# Altium PCB Main_Fly_V1.0.0.PcbDoc (part 2 of 2)
Units mil, origin at the board's own origin, x right, y up, seen from the top; angles counter-clockwise.
Board outline 3667.19 x 3670.52 mil, 2 copper layers (Top Layer, Bottom Layer); 101 components, 66 nets, 311 pads, 145 vias.
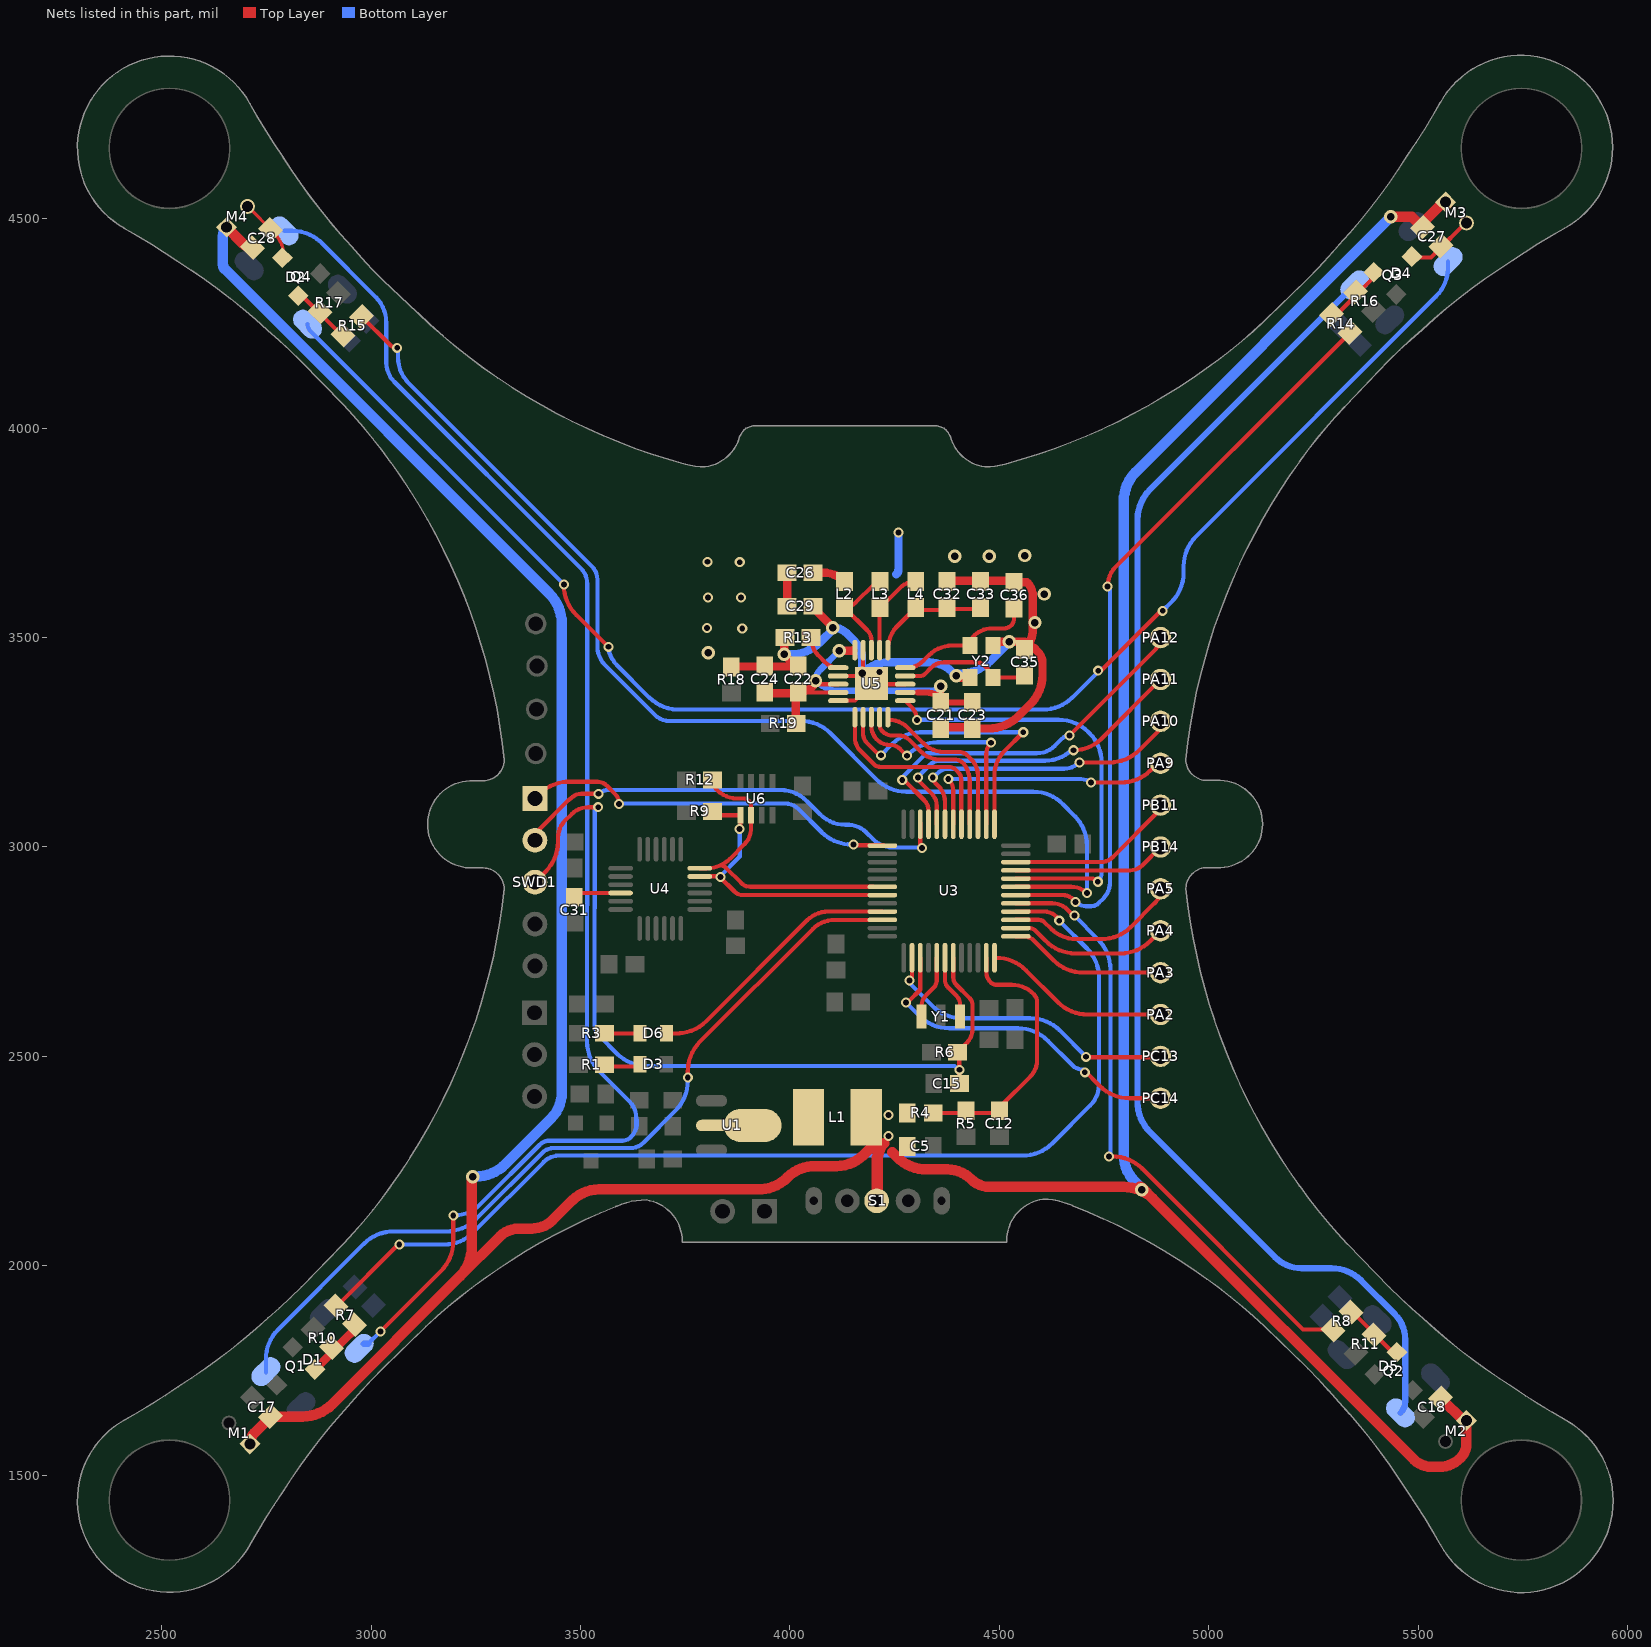
[diagram p2: the nets of this part, all layers, seen from the top]

## Via types
v1: diameter 24, hole 14, Top Layer to Bottom Layer, tented both sides, 115 vias
v2: diameter 32, hole 18, Top Layer to Bottom Layer, tented both sides, 28 vias
v3: diameter 152.84, hole 113.47, Top Layer to Bottom Layer, tented both sides, 2 vias

## Nets (pads, with @x,y where several pads share a name; then routed paths per layer and width w, separated by ;. In a path a pad name is that pad's centre, name@x,y a point inside that pad or via, vN(x,y) a via of type N, cw(c..) or ccw(c..) an arc to the next point about the centre after c; other vN are vias at no path point) (continued)
NetC26_1: C26.1 L2.2 | length 81.6
  Top Layer w10: C26.1@4054,3647 C26.1@4055,3647
  Top Layer w20: C26.1@4055,3655 4079.3,3655 cw(c4079.3,3583.3) 4112.21,3647 cw(c4079.3,3583.3) 4113.9,3646.1 cw(c4079.3,3583.3) L2.2@4130,3634
NetC27_1: C27.1 M3.2 Q3.3 | length 155.3
  Top Layer w10: Q3.3@5490,4408 5531,4408 5548,4425 5609,4486 M3.2@5613,4486
NetC28_1: C28.1 M4.2 Q4.3 | length 151.1
  Top Layer w7.87: M4.2@2704.66,4529.66 2768.15,4466.17 cw(c2712.97,4411) Q4.3@2791,4411
NetC31_1: C31.1 U4.10 | length 113.2
  Top Layer w10: C31.1@3485,2880 cw(c3509.52,2855.48) 3505.98,2889.98 cw(c3509.52,2855.48) 3509.52,2890.16 U4.10@3595.51,2890.16
NetC32_2: C32.2 C33.2 L4.2 U5.11 | length 350.8
  Top Layer w10: U5.11@4233.74,3470 cw(c4320.02,3470) U5.11@4234,3476.69 ; U5.11@4234,3467 U5.11@4234,3476.69 ; L4.2@4288,3558 4249.01,3519.01 ; L4.2@4294,3568 L4.2@4295,3567 ; L4.2@4300,3572 L4.2@4295,3567 ; C32.2@4363,3566 4296,3566 L4.2@4295,3567 ; C32.2@4363,3568 4452,3568 C33.2@4453,3567 ; U5.11@4234,3476.69 cw(c4320.02,3470) 4249.01,3519.01 ; 4249.01,3519.01 cw(c4320.02,3470) 4259.01,3531.01 L4.2@4295,3567
NetC35_2: C35.2 U5.9 Y2.1 | length 298
  Top Layer w10: U5.9@4275,3408.43 4310.96,3408.43 ccw(c4310.96,3424.04) 4321.98,3412.98 4337.3,3428.3 cw(c4367.97,3397.63) 4367.97,3441 4446.1,3441 cw(c4446.1,3417.1) 4463,3434 Y2.1@4484,3413 ; Y2.1@4489,3405 4548,3405 C35.2@4554,3411
NetC36_2: C36.2 U5.10 Y2.3 | length 334.9
  Top Layer w10: U5.10@4275,3428.11 4279.64,3428.11 ccw(c4279.64,3482.36) 4289.42,3429 ccw(c4279.64,3482.36) 4318,3444 4332.05,3458.05 cw(c4387.41,3402.69) 4387.41,3480.98 Y2.3@4429.49,3480.98 cw(c4462.09,3480.98) 4434.76,3498.76 cw(c4462.09,3480.98) 4439.04,3504.04 cw(c4482.4,3460.67) 4446.1,3510.1 cw(c4482.4,3460.67) 4455.95,3516 cw(c4482.4,3460.67) 4482.4,3522 4511.27,3522 ccw(c4511.27,3545.9) 4528.17,3529 ; 4528.18,3529.01 ccw(c4511.69,3545.49) 4535,3545.49 C36.2@4535,3570
NetD1_4: D1.4 D2.2 | length 3444.9
  Top Layer w10: v1(3022,1843) 3166.71,1987.71 ccw(c3096,2058.42) 3196,2058.42 v1(3196,2120)
  Bottom Layer w10: D2.2@2792.16,4471.36 2811.22,4471.36 cw(c2811.22,4371.36) 2862.85,4457 cw(c2811.22,4371.36) 2881.93,4442.07 3010.54,4313.46 cw(c2949.09,4252) 3036,4252 3036,4157 ccw(c3101.18,4157) 3055.07,4110.93 ; D1.4@2993,1814 v1(3022,1843) ; 3055.09,4110.91 3501,3665 cw(c3464.79,3628.79) 3516,3628.79 3516,2860.95 3515.38,2860.32 3515.38,2534.92 ccw(c3615.38,2534.92) 3544.67,2464.21 3616.87,2392 3617,2392 cw(c3578.37,2353.37) 3633,2353.37 3633,2352.18 ; v1(3196,2120) ccw(c3196,2210.4) 3259.92,2146.48 3402.44,2289 cw(c3425.98,2265.47) 3425.98,2298.75 3600.08,2298.75 ccw(c3600.08,2326.92) 3620,2307 ccw(c3585.41,2341.59) 3634.33,2341.59 3634.33,2348.43 ccw(c3565.14,2326) 3633,2352.18 ; 3633,2332 3633,2352.18
  Bottom Layer w15: D1.4@2982,1814 D1.4@2993,1814
NetD2_4: D2.4 D4.2 | length 3663.9
  Top Layer w10: v1(3460,3627) 3460,3625.42 ccw(c3560,3625.42) 3489.29,3554.71 v1@3569,3475 ; v1@4740,3422 4744,3422 v1@4886,3564
  Bottom Layer w10: D2.4@2847.84,4248.64 ccw(c2870.73,4248.64) 2854.54,4232.46 v1(3460,3627) ; v1@3566,3483 ccw(c3633.6,3483) 3585.8,3435.2 3663.71,3357.29 ccw(c3734.42,3428) 3719.95,3329.05 ccw(c3734.42,3428) 3734.42,3328 4603.58,3328 ccw(c4603.58,3428) 4674.29,3357.29 v1@4743.5,3426.5 ; v1@4889,3563 v1(4890,3564) 4910.71,3584.71 ccw(c4840,3655.42) 4921,3596.78 ccw(c4840,3655.42) 4940,3655.42 4940,3670.58 cw(c5040,3670.58) 4969.29,3741.29 5542.07,4314.07 ccw(c5471.36,4384.78) 5571.36,4384.78 D4.2@5571.36,4397.84
  other v1: 4736,3421 3567,3478
NetD3_1: D3.1 R1.2 | length 88.7
  Top Layer w10: R1.2@3557,2480 3561,2476 D3.1@3644,2476
NetD4_4: D4.4 D5.2 | length 3243.3
  Bottom Layer w15: D4.4@5348.64,4342.16 4859.29,3852.81 ccw(c4930,3782.1) 4835.34,3814.34 ccw(c4930,3782.1) 4830,3782.1 4830,2390.42 ccw(c4930,2390.42) 4859.29,2319.71 5159,2020 ccw(c5221.77,2082.77) 5169.53,2011 ccw(c5221.77,2082.77) 5221.77,1994 5293.24,1994 cw(c5293.24,1894) 5363.95,1964.71 5443.83,1884.83 cw(c5383.07,1824.07) 5469,1824.07 5469,1675.59 cw(c5430.89,1675.59) D5.2@5457.84,1648.64
NetD6_1: D6.1 R3.2 | length 85.1
  Top Layer w10: R3.2@3557,2555 3635,2555 D6.1@3640,2550
NetL1_2: L1.2 U1.2
NetL2_1: L2.1 L3.2 U5.13 | length 245.1
  Top Layer w10: L2.1@4130,3572 ccw(c4130,3608.21) 4155.61,3582.61 4201.34,3628.34 cw(c4215,3614.69) L3.2@4215,3634 ; L2.1@4133,3570 4133,3569 4184.5,3517.5 cw(c4160.67,3493.67) 4194.37,3493.67 U5.13@4194.37,3470 ccw(c4103.52,3470) U5.13@4193.46,3482.8
NetL3_1: L3.1 L4.1 U5.12 | length 212.2
  Top Layer w10: U5.12@4214.06,3470 4214.06,3554.06 4226,3566 L3.1@4229,3566 ; L3.1@4215,3572 ccw(c4215,3574.41) 4216.71,3572.71 4262.45,3618.45 cw(c4300,3580.89) L4.1@4300,3634
NetQ1_1: Q1.1 R7.2 R10.2 | length 145.2
  Top Layer w20: Q1.1@2865.48,1752.58 2950.88,1837.99 ccw(c2928.87,1860) 2955,1843.08 ccw(c2928.87,1860) R7.2@2960,1860
NetQ2_1: Q2.1 R8.2 R11.2 | length 147.2
  Top Layer w10: R8.2@5344,1888 5441,1791 Q2.1@5451,1791
NetQ3_1: Q3.1 R14.2 R16.2 | length 142.8
  Top Layer w10: R14.2@5299,4265 5395,4361 Q3.1@5395,4368
NetQ4_1: Q4.1 R15.2 R17.2 | length 140.9
  Top Layer w10: Q4.1@2828,4315 2836,4315 R15.2@2930,4221
NetR13_1: R13.1 U5.16 | length 104.9
  Top Layer w10: R13.1@4050,3500 ccw(c4110.36,3500) 4067.68,3457.32 4084.08,3440.92 ccw(c4115,3471.83) 4106.22,3429 ccw(c4115,3471.83) U5.16@4115,3428.11
NetU3_5: U3.5 Y1.1 | length 152.9
  Top Layer w10: Y1.1@4314,2595 4314,2619.44 cw(c4351.56,2619.44) 4315,2628.05 cw(c4351.56,2619.44) 4324.97,2645.97 ; 4325,2646 4343,2664 ccw(c4324.96,2682.04) 4350,2677.15 ccw(c4324.96,2682.04) 4350.47,2682.04 U3.5@4350.47,2735.55
NetU3_6: U3.6 Y1.2 | length 153.1
  Top Layer w10: U3.6@4370.16,2735.55 4370.16,2683 ccw(c4397.09,2683) 4378.05,2663.95 4398.5,2643.5 cw(c4380.39,2625.39) 4405,2632.48 cw(c4380.39,2625.39) 4406,2625.39 Y1.2@4406,2595
NRF_ANT: C26.2 C29.2 pad.1@3986.02,3663.58 | length 90.4
  Top Layer w10: C29.2@3990,3575 3990,3566 C29.2@3991,3565
  Top Layer w20: C29.2@3993,3575 C26.2@3993,3655
NRF_CE: U3.29 U5.1 | length 470.1
  Top Layer w10: U5.1@4155,3312 U5.1@4155,3310 4155,3261 ccw(c4198.46,3261) 4167.73,3230.27 4200.53,3197.47 ccw(c4215.85,3212.79) 4215.85,3191.13 4380.21,3191.13 cw(c4380.21,3170.21) 4395,3185 4402,3178 cw(c4385.1,3161.1) 4409,3161.1 U3.29@4409,3049
NRF_CSN: U3.25 U5.2 | length 717
  Top Layer w10: U5.2@4174.69,3310 4174.69,3270.49 ccw(c4206.49,3270.49) 4184,3248 4210,3222 4215,3222 v1@4222,3215 ; U3.25@4488,3045 U3.25@4488,3048 ; U3.25@4488,3060 4488,3171 cw(c4570.08,3171) 4512.04,3229.04 v1(4557,3274)
  Bottom Layer w10: v1(4217,3219) 4241.42,3243.42 cw(c4308,3176.85) 4245.09,3246.9 cw(c4310.52,3181.47) 4310.52,3274 v1(4557,3274)
NRF_IRQ: U3.20 U5.6 | length 1050.7
  Top Layer w10: U5.6@4275,3349.37 4290.01,3334.36 cw(c4258.65,3303) v1(4303,3303) ; v1@4304,3301 v1@4304,3303 ; U3.20@4539.45,2924.53 4718.53,2924.53 cw(c4718.53,2893.28) v1@4740.6,2915.4
  Bottom Layer w10: v1@4300,3304 4641.58,3304 cw(c4641.58,3204) 4712.29,3274.71 4714.71,3272.29 cw(c4644,3201.58) 4744,3201.58 4744,2938.73 cw(c4713.27,2938.73) v1(4735,2917)
NRF_MISO: U3.27 U5.5 | length 394.7
  Top Layer w10: U5.5@4233.74,3310 ccw(c4242.77,3310) 4235.25,3305 ccw(c4242.77,3310) 4236.38,3303.62 cw(c4236.38,3240.85) 4280.74,3285.26 4318.5,3247.5 ccw(c4367.99,3296.99) 4367.99,3227 4403,3227 cw(c4403,3198.03) 4423.49,3218.51 4432.75,3209.25 cw(c4393.78,3170.27) 4448.9,3170.27 U3.27@4448.9,3054.45
NRF_MOSI: U3.28 U5.4 | length 402.5
  Top Layer w10: U5.4@4214.06,3310 4214.06,3292.06 ccw(c4236.06,3292.06) 4220.5,3276.5 ; 4220.53,3276.47 ccw(c4245.85,3301.85) 4245.85,3266 4260,3266 cw(c4260,3230.46) 4285.13,3255.59 4314.72,3226 ; 4314.75,3225.97 ccw(c4355.76,3267.04) 4355.76,3209 4391.38,3209 cw(c4391.38,3175.96) 4414.74,3199.32 cw(c4358.02,3156.3) 4429.21,3156.3 U3.28@4429.21,3054.45
NRF_SCK: U3.26 U5.3@4194.37,3310 | length 552.2
  Top Layer w10: U5.3@4194.37,3310 4194.37,3288.2 ccw(c4239.2,3288.2) 4207.5,3256.5 ccw(c4238.28,3287.28) 4238.28,3243.75 cw(c4238.28,3207.61) 4263.83,3233.17 v1(4279,3218) ; U3.26@4468.58,3054.45 4468.58,3221.44 cw(c4507.56,3221.44) v1(4480,3249)
  Bottom Layer w10: v1@4276,3223 v1@4284.08,3223 ; v1(4279,3218) 4281.71,3220.71 cw(c4352.42,3150) v1@4284.08,3223 ; v1@4475,3248 ccw(c4470.17,3243.17) 4470.17,3250 4352.42,3250 ccw(c4352.42,3150) 4315.67,3243 ccw(c4352.42,3150) 4307.18,3239.18 ccw(c4352.42,3150) v1@4284.08,3223
NRST: C15.2 R6.1 SWD1.3 U3.7 | length 2043.7
  Top Layer w10: SWD1.3@3391,2916 3416.71,2941.71 ccw(c3346,3012.42) 3446,3012.42 3446,3022 cw(c3503.94,3022) 3462.97,3062.97 3478,3078 ; 3478.03,3078.03 cw(c3519.04,3036.96) 3519.04,3095 v1(3542,3095) ; U3.7@4389.84,2735.55 4389.84,2688.28 ccw(c4414.28,2688.28) 4397,2671 4429,2639 cw(c4412.1,2622.1) 4436,2622.1 4436,2566 cw(c4387.72,2566) 4421.86,2531.86 R6.1@4400,2510 ; R6.1@4404,2513 4404,2436 C15.2@4405,2435
  Bottom Layer w10: v1@3542,3100 3533.87,3091.87 3533.87,2853.54 3533.25,2852.92 3533.25,2577 ccw(c3573.69,2577) 3545.1,2548.4 3587.21,2506.29 ccw(c3657.92,2577) 3657.92,2477 4393,2477 v1@4402.65,2467.35 ; v1@4403.5,2466.5 v1@4406,2464 ; v1@4403.79,2468.5 cw(c4403.79,2466.79) v1(4405,2468)
PA2: PA2.1 U3.12 | length 448.3
  Top Layer w10: U3.12@4488.27,2735.55 4492.03,2735.55 cw(c4492.03,2635.55) 4562.74,2706.26 4639.71,2629.29 ccw(c4710.42,2700) 4710.42,2600 PA2.1@4885,2600 ; PA2.1@4877,2608 PA2.1@4881,2608
PA3: PA3.1 U3.13 | length 375.6
  Top Layer w10: U3.13@4539.45,2786.73 4557.09,2786.73 cw(c4557.09,2750.09) 4564.38,2786 cw(c4557.09,2750.09) 4583,2776 4629.71,2729.29 ccw(c4700.42,2800) 4700.42,2700 PA3.1@4885,2700
PA4: PA4.1 U3.14 | length 383.4
  Top Layer w10: U3.14@4539.45,2806.42 4570.51,2806.42 cw(c4570.51,2784.51) 4574.76,2806 cw(c4570.51,2784.51) 4585.98,2800.02 4610.71,2775.29 ccw(c4681.42,2846) 4681.42,2746 4789.58,2746 ccw(c4789.58,2846) 4860.29,2775.29 PA4.1@4885,2800
PA5: PA5.1 U3.15 | length 415.1
  Top Layer w10: U3.15@4539.45,2826.1 4593.27,2826.1 cw(c4593.27,2805.27) 4608,2820 4623,2805 ccw(c4683.36,2865.36) 4623.04,2804.96 ccw(c4683.36,2865.36) 4683.36,2780 4743.58,2780 ccw(c4743.58,2880) 4814.29,2809.29 4870.86,2865.86 ccw(c4836.72,2900) 4883,2886.25 ccw(c4836.72,2900) PA5.1@4885,2900
PA9: PA9.1 U3.30 | length 633
  Top Layer w10: v1(4378,3162) cw(c4349.41,3133.41) 4387.75,3146.25 cw(c4349.41,3133.41) 4389.84,3133.41 U3.30@4389.84,3054.45 ; v1(4719,3154) 4790.58,3154 ccw(c4790.58,3254) 4818.58,3158 ccw(c4790.58,3254) 4861.29,3183.29 PA9.1@4875,3197 ; PA9.1@4879.5,3192.5 PA9.1@4882,3195
  Bottom Layer w10: v1(4378,3162) 4695.03,3162 cw(c4695.03,3121.03) v1@4724,3150
PA10: PA10.1 U3.31 | length 733
  Top Layer w10: v1@4337.5,3162.5 4354.01,3145.99 cw(c4315.01,3107) 4370.16,3107 U3.31@4370.16,3054.45 ; v1@4686,3206 v1@4691,3206 ; v1(4691,3202) 4763.58,3202 ccw(c4763.58,3302) 4791.58,3206 ccw(c4763.58,3302) 4834.29,3231.29 4887,3284 PA10.1@4887,3296
  Bottom Layer w10: v1@4345,3169 4351.69,3175.69 cw(c4379,3148.37) 4379,3187 4654.79,3187 ccw(c4654.79,3238.21) 4679.19,3193.19 ; v1@4690,3204 4679.19,3193.19 ; v1(4691,3202) cw(c4654.79,3238.21) 4679.19,3193.19
  other v1: 4341,3166
PA11: PA11.1 U3.32 | length 792.6
  Top Layer w10: v1@4308,3166 4308,3158 4338,3128 cw(c4307.89,3097.89) 4350.47,3097.89 U3.32@4350.47,3054.45 ; v1(4677,3231) ccw(c4677,3325.15) 4743.58,3258.58 PA11.1@4885,3400
  Bottom Layer w10: v1(4306,3166) cw(c4310.83,3166) 4307.41,3169.41 4334.5,3196.5 cw(c4357.44,3173.57) 4357.44,3206 4608.82,3206 ccw(c4608.82,3298.18) v1@4674,3233
PA12: PA12.1 U3.33 | length 903.7
  Top Layer w10: v1@4270,3166 4270,3162 4320.5,3111.5 cw(c4295.66,3086.66) 4330.79,3086.66 U3.33@4330.79,3054.45 ; v1@4664,3263 v1@4667,3263 ; v1(4667,3266) 4873.69,3472.69 ccw(c4846.37,3500) PA12.1@4885,3500
  Bottom Layer w10: v1(4268,3160) 4268,3166 4326,3224 4352,3224 4352.13,3223.87 4589.24,3223.87 ccw(c4589.24,3285.76) 4633,3242 4649.93,3258.93 cw(c4667,3241.86) v1(4667,3266)
PB10: PB14.1 U3.21 | length 366.9
  Top Layer w10: U3.21@4539.45,2944.21 4812,2944.21 ccw(c4812,2985.77) 4841.37,2956.37 ; 4841.38,2956.38 PB14.1@4885,3000
PB11: PB11.1 U3.22 | length 405
  Top Layer w10: U3.22@4539.45,2963.9 4742,2963.9 ccw(c4742,3004.69) 4770.85,2975.85 4877.93,3082.93 ccw(c4860.86,3100) 4884,3093.12 ccw(c4860.86,3100) PB11.1@4885,3100
PC13: PC13.1 U3.2 | length 702.8
  Top Layer w10: v1@4291.42,2684.42 U3.2@4291.42,2735.55 ; v1@4713,2498 4869,2498 PC13.1@4872,2501
  Bottom Layer w10: v1(4285,2681) ccw(c4298.47,2681) 4286,2675.91 ccw(c4298.47,2681) 4288.94,2671.48 4340.13,2620.29 ccw(c4410.84,2691) 4410.84,2591 4573.58,2591 cw(c4573.58,2491) 4644.29,2561.71 v1(4707,2499)
PC14: PC14.1 U3.3 | length 807.8
  Top Layer w10: v1@4284,2632 4311.1,2659.1 U3.3@4311.1,2735.55 ; v1@4703,2466 4739.71,2429.29 ccw(c4810.42,2500) 4810.42,2400 PC14.1@4885,2400 PC14.1@4887,2398
  Bottom Layer w10: v1(4277,2629) 4309.71,2596.29 ccw(c4380.42,2667) 4322.56,2585.44 ccw(c4380.42,2667) 4380.42,2567 4544.58,2567 cw(c4544.58,2467) 4615.29,2537.71 4673.89,2479.11 ccw(c4699.5,2504.71) 4699.5,2468.5 v1@4704,2464
  other v1: 4704,2462
PWM1: R7.1 U3.16 | length 2582.5
  Top Layer w10: R7.1@2916,1902 v1@3067,2053 ; U3.16@4539.45,2845.79 4606.84,2845.79 cw(c4606.84,2803.84) 4636.49,2833.51 v1@4643,2827
  Bottom Layer w10: v1@3062,2051 v1(3067,2051) 3175.4,2051 ccw(c3175.4,2146.6) 3243,2079 3412.15,2248.15 cw(c3448,2212.3) 3448,2263 4555.58,2263 ccw(c4555.58,2363) 4626.29,2292.29 4717.5,2383.5 ccw(c4668.01,2432.99) 4738,2432.99 4738,2687.58 ccw(c4638,2687.58) 4708.71,2758.29 v1@4646,2821
  other v1: 4643,2824
PWM2: R8.1 U3.17 | length 1454.3
  Top Layer w10: U3.17@4539.45,2865.47 4626,2865.47 cw(c4626,2813.5) 4662.73,2850.27 v1@4676.5,2836.5 ; v1@4764,2261 4770.58,2261 cw(c4770.58,2161) 4841.29,2231.71 5225,1848 R8.1@5298,1848
  Bottom Layer w10: v1(4679,2836) 4735.71,2779.29 cw(c4665,2708.58) 4765,2708.58 4765,2262 v1@4766,2261
  other v1: 4762,2261
PWM3: R14.1 U3.18 | length 1811.5
  Top Layer w10: U3.18@4539.45,2885.16 4651.38,2885.16 cw(c4651.38,2850.24) 4676.05,2874.95 v1(4682,2869) v1@4683,2868 ; v1@4759,3624 cw(c4822.15,3624) 4763.56,3647.56 cw(c4822.15,3624) 4777.5,3668.66 R14.1@5336.92,4228.08
  Bottom Layer w10: v1(4682,2869) ccw(c4707.13,2894.13) 4707.13,2858.59 4719,2858.59 ccw(c4719,2884.16) 4737.07,2866.07 ; 4737.08,2866.08 4748.45,2877.45 ccw(c4710.89,2915) 4764,2915 v1@4764,3619
  other v1: 4758,3622
PWM4: R15.1 U3.19 | length 2692.5
  Top Layer w10: R15.1@2976.92,4266.92 3044.66,4199.18 ccw(c3062,4216.53) 3055.07,4193 ccw(c3062,4216.53) v1(3062,4192) ; U3.19@4539.45,2904.84 4671.75,2904.84 cw(c4671.75,2850.75) v1@4710,2889
  Bottom Layer w10: v1@3064,4193 3064,4169.77 ccw(c3152.77,4169.77) 3090,4107 3527,3670 cw(c3495.62,3638.62) 3540,3638.62 3540,3479 ccw(c3602.77,3479) 3558.38,3434.62 3678,3315 ccw(c3711.8,3348.8) 3711.8,3301 4025.78,3301 cw(c4025.78,3201) 4096.49,3271.71 4206.91,3161.29 ccw(c4277.62,3232) 4277.62,3132 4580.58,3132 cw(c4580.58,3032) 4601.14,3129.86 cw(c4580.58,3032) 4651.29,3102.71 4679.81,3074.19 cw(c4609.1,3003.48) 4706.96,3024.04 cw(c4609.1,3003.48) 4709.1,3003.48 v1(4709.1,2889.9)
RF_3V3: C21.1 C22.1 C23.1 C24.1 R19.2 U5.7 U5.15 U5.18 U5.19 | length 958.6
  Top Layer w10: C22.1@4038.7,3369.06 U5.19@4115,3369.06 ; v2@4060.79,3388.74 U5.18@4115,3388.74 ; U5.7@4275,3369.06 4305,3369.06
  Top Layer w15: 4305,3369.06 4325.65,3369.06 cw(c4325.65,3317.65) 4338.6,3367.4 cw(c4325.65,3317.65) 4358,3357.6 cw(c4325.65,3317.65) C21.1@4360,3355.9 ; v2(4360,3384) C21.1@4360,3355.9 ; C23.1@4435,3345 C21.1@4360,3345 C21.1@4360,3355.9
  Top Layer w20: C24.1@3936,3371 3940,3367 C22.1@4019,3367 ; R19.2@4014,3297 C22.1@4014,3362 ; C22.1@4020,3370 ccw(c4020,3420.7) 4030.02,3371 ccw(c4020,3420.7) v2@4055.85,3384.85 ; v2(4118,3469) 4148.49,3469 ccw(c4148.49,3472.41) U5.15@4150.91,3470
  Bottom Layer w15: v2(4118,3469) 4071.61,3422.61 ccw(c4097.21,3397) v2(4061,3397) ccw(c4118.94,3454.94) 4118.94,3373 4335.86,3373 ccw(c4335.86,3407.14) 4360,3383 v2(4360,3384)
RF_GND: C21.2 C22.2 C23.2 C24.2 C29.1 C32.1 C33.1 C35.1 C36.1 pad.2@4258.86,3752.56 R13.2 R18.2 U5.0 U5.8 U5.14 U5.17 U5.20 Y2.2 Y2.4 | length 2201.5
  Top Layer w10: U5.17@4115,3408.43 4178.43,3408.43 U5.0@4179,3409 ; U5.20@4118,3350 4155,3350 U5.0@4163,3358 ; U5.14@4174,3469 4174,3416 U5.0@4175,3415 ; U5.0@4204,3381 4211.74,3388.74 U5.8@4275,3388.74
  Top Layer w20: R18.2@3860,3431 4015,3431 C22.2@4019,3435 ; R13.2@3986,3500 v2(3986,3460) C22.2@4013,3433 ; C29.1@4061,3575 4061,3566 v2@4102,3525 ; C21.2@4368,3286 4433,3286 C23.2@4436,3283 ; C32.1@4374,3636 4532,3636 4536,3632 4566,3632 cw(c4532.2,3598.2) 4580,3598.2 4580,3520.28 cw(c4511.72,3520.28) 4574.55,3493.55 cw(c4511.72,3520.28) C35.1@4563.69,3476 ; v2@4398,3408 4402,3404 Y2.4@4425,3404 ; C23.2@4435,3283 C23.2@4436,3283 ; Y2.2@4487,3477 4500,3490 v2(4524,3490) C35.1@4560,3490 ; C35.1@4560,3472 ccw(c4511.72,3520.28) C35.1@4563.69,3476 ; 4592,3466 4582,3476 C35.1@4563.69,3476 ; 4592.03,3465.97 cw(c4565.44,3439.44) 4603,3439.44 4603,3411.01 cw(c4503.99,3411.01) 4574,3341 4545.29,3312.29 cw(c4474.58,3383) 4474.58,3283 C23.2@4436,3283
  Bottom Layer w20: v2(3986,3460) 4001.58,3460 ccw(c4001.58,3560) 4021.48,3462 ccw(c4001.58,3560) 4056.3,3476.3 ccw(c4001.58,3560) 4072.29,3489.29 4106,3523 v2@4111.78,3523 ; v2(4102,3524) cw(c4102,3475.72) 4104.16,3523.95 cw(c4102,3475.72) v2@4111.78,3523 ; 4136.12,3509.88 ccw(c4102,3475.72) v2@4111.78,3523 ; 4136.14,3509.86 4153.21,3492.79 cw(c4107.85,3447.43) 4170,3463.32 cw(c4107.85,3447.43) 4172,3447.43 v2(4172,3415) cw(c4234.77,3352.23) 4234.77,3441 4332.89,3441 cw(c4332.89,3365.89) 4386,3419 v2@4391,3414 ; v2@4171.5,3414.5 v2@4174,3412 ; 4253.82,3651 ccw(c4241.3,3663.53) 4259.01,3663.53 v1(4259.01,3751) ; v2@4396,3414 4406.58,3414 ccw(c4406.58,3514) 4468.4,3435.4 ccw(c4406.58,3514) 4477.29,3443.29 v2(4524,3490) ; v2@4523.5,3490.5 v2@4525,3492
  other v1: 4214,3418 3886,3522 3802,3523 3804,3596 3883,3596 3880,3680 3803,3681
  other v2: 4397,3409 3805,3464 4585,3536 4607,3604 4393,3694 4476,3694 4561,3696
RGBLED: D1.2 U3.46 | length 2008.1
  Top Layer w10: v1(3756,2450) 3756,2464.58 cw(c3856,2464.58) 3757,2478.69 cw(c3856,2464.58) 3785.29,2535.29 4053.37,2803.37 cw(c4108,2748.75) 4108,2826 U3.46@4228,2826
  Bottom Layer w10: D1.2@2748.64,1747.16 2748.64,1777.22 cw(c2848.64,1777.22) 2749,1785.65 cw(c2848.64,1777.22) 2777.93,1847.93 2982.71,2052.71 cw(c3053.42,1982) 3053.42,2082 3179.3,2082 ccw(c3179.3,2182) 3250.01,2111.29 3408.7,2269.98 cw(c3435,2243.69) 3435,2280.87 3619,2280.87 ccw(c3619,2324.03) 3649.51,2293.51 3726.71,2370.71 ccw(c3656,2441.42) 3756,2441.42 v1(3756,2450) ; D1.2@2749,1745 D1.2@2749,1747.16 ; v1@3760,2450 v1@3760,2454
SCL: R9.2 U3.43 U4.23 U6.4 | length 664.4
  Top Layer w10: U4.23@3786,2930 3831,2930 3868,2893 ccw(c3887.31,2912.31) 3887.31,2885 U3.43@4200,2885 ; R9.2@3814,3077 3815.42,3075.58 U6.4@3881.61,3075.58 3881.61,3045.61 v1(3879,3043)
  Bottom Layer w10: v1@3834,2931 3880,2977 v1@3880,3043
  other v1: 3834,2928
SDA: R12.2 U3.42 U4.24 U6.3 | length 733.6
  Top Layer w10: U4.24@3784.49,2949.21 3801.28,2949.21 ccw(c3801.28,3028.72) 3819.28,2951.28 ccw(c3801.28,3028.72) 3833.42,2956 ; R12.2@3815,3160 ccw(c3846.38,3160) 3824,3138 ccw(c3846.38,3160) 3824.18,3137.82 3826.91,3135.09 ; 3826.93,3135.07 ccw(c3873,3181.18) 3873,3116 3888.08,3116 cw(c3888.08,3096.87) 3901.6,3110.4 cw(c3888.08,3096.87) 3907.2,3096.87 U6.3@3907.2,3075.58 3907.2,3045.64 cw(c3850.63,3045.64) 3907,3040.83 cw(c3850.63,3045.64) 3890.63,3005.63 3857.5,2972.5 cw(c3801.28,3028.72) 3833.42,2956 ; U6.3@3908,3075.58 U6.3@3908,3079 ; U3.42@4198,2905 3904.87,2905 cw(c3904.87,2934.87) 3883.75,2913.75 3847.21,2950.29 ccw(c3833.42,2936.5) 3833.42,2956
SWCLK: SWD1.1 U3.37 | length 902.8
  Top Layer w10: SWD1.1@3391,3116 3401.58,3126.58 cw(c3472.3,3055.87) 3457.82,3154.82 cw(c3472.3,3055.87) 3472.3,3155.87 3540,3155.87 cw(c3540,3124.18) 3562.41,3146.59 3582.1,3126.9 cw(c3558.2,3103) v1(3592,3103) ; v1@4153,3004 U3.37@4223,3004
  Bottom Layer w10: v1@3594,3104 3988,3104 cw(c3988,3058.13) 4020.44,3090.56 4075.71,3035.29 ccw(c4146.42,3106) 4113.39,3011.61 ccw(c4146.42,3106) 4146.42,3006 v1(4152,3006)
SWDIO: SWD1.2 U3.34 | length 1084.1
  Top Layer w10: SWD1.2@3391,3016 cw(c3429.63,3016) 3402.31,3043.31 3467.5,3108.5 cw(c3521.82,3054.18) 3477.2,3116.72 cw(c3502.03,3091.89) 3495.71,3126.43 cw(c3502.03,3091.89) 3502.03,3127 v1(3543,3127) ; U3.34@4311,3057 4311,3006 v1@4317,3000 ; v1@4317.5,3000.5 v1@4318,3000
  Bottom Layer w10: v1(3543,3127) cw(c3564.73,3105.27) 3564.73,3136 3977.23,3136 cw(c3977.23,3047.23) 4040,3110 4072.25,3077.75 ccw(c4132,3137.5) 4132,3053 4138.54,3053 cw(c4138.54,2991.54) 4141.05,3052.95 cw(c4138.54,2991.54) 4182,3035 4198.2,3018.8 ccw(c4246,3066.6) 4246,2999 v1@4317,2999
  other v1: 4315,2998
USERLED: D6.2 U3.45 | length 628.6
  Top Layer w10: D6.2@3705,2555 3729.58,2555 ccw(c3729.58,2655) 3743.69,2556 ccw(c3729.58,2655) 3800.29,2584.29 4041,2825 cw(c4091.19,2774.81) 4091.19,2845.79 U3.45@4220.55,2845.79
VBAT: C5.1 C17.2 C18.2 C27.2 C28.2 L1.1 M1.1 M2.1 M3.1 M4.1 R4.2 S1.2 | length 9786.4
  Top Layer w25: M4.1@2654.63,4479.63 2693.88,4440.39 ccw(c2716.16,4462.67) C28.2@2716.16,4431.16 ; M1.1@2710.37,1574.63 cw(c2748.35,1574.63) 2721.49,1601.49 C17.2@2760,1640 2835.81,1640 ccw(c2835.81,1740) 2906.52,1669.29 3210.71,1973.48 ; v2@3240,2212 3240,2044.19 cw(c3140,2044.19) 3210.71,1973.48 ; S1.2@4207,2155 4207,2249.54 cw(c4268.46,2249.54) 4225,2293 ccw(c4261.21,2256.79) 4210,2256.79 S1.2@4210,2142 ; 4244,2271 4255.71,2259.29 ccw(c4326.42,2330) 4326.42,2230 4376,2230 cw(c4376,2150.33) 4432.33,2206.67 ccw(c4476.49,2250.82) 4476.49,2188.37 4797.07,2188.37 cw(c4797.07,2088.37) 4867.78,2159.08 ; v2@4835,2188.37 cw(c4835,2179.95) 4840.96,2185.91 4867.78,2159.09 ; v2(5435,4505) 5485,4505 C27.2@5510,4480 ; C27.2@5505,4485 5555,4535 M3.1@5570,4535 ; C18.2@5559,1679 5605,1633 M2.1@5612,1633 ; M2.1@5615.37,1630.37 5615.37,1575.38 cw(c5567.04,1575.38) 5601.21,1541.21 cw(c5550,1592.43) 5550,1520 5532,1520 cw(c5532,1580.69) 5489.09,1537.77 4867.78,2159.09 ; 3210.71,1973.48 3306.78,2069.54 cw(c3353,2023.32) 3353,2088.69 3382.88,2088.69 ccw(c3382.88,2160.83) 3433.89,2109.81 3480,2155.92 cw(c3544,2091.92) 3480.03,2155.96 cw(c3544,2091.92) 3544,2182.43 3925.03,2182.43 ccw(c3925.03,2279.97) 3948.91,2185.4 ccw(c3925.03,2279.97) 3994,2211 cw(c4059.18,2145.82) 4017.18,2227.87 cw(c4059.18,2145.82) 4059.18,2238 4110.82,2238 ccw(c4110.82,2330.18) 4176,2265 L1.1@4202.05,2291.05 ; L1.1@4202.05,2291.05 cw(c4190.1,2279.1) 4207,2279.1 4207,2303 cw(c4190.1,2303) L1.1@4202.06,2291.06
  Bottom Layer w25: M4.1@2654.63,4479.63 ccw(c2675.48,4458.79) 2646,4458.79 2646,4391 ccw(c2662.9,4391) 2650.94,4379.06 3425.71,3604.29 cw(c3355,3533.58) 3455,3533.58 3455,2414 cw(c3366.73,2414) 3429.16,2351.6 3319.85,2242.29 cw(c3249.14,2313) 3249.14,2213 v2(3242,2213) ; v2(4840,2182) 4840,2185 4823.16,2201.84 cw(c4886.33,2265) 4797,2265 4797,3825.58 cw(c4897,3825.58) 4826.29,3896.29 v2(5435,4505)
  other v1: 4235,2310 4235,2360
VBAT_T: C12.2 R4.1 R5.2 U3.11 | length 635.1
  Top Layer w10: R4.1@4342,2365 C12.2@4490,2365 ; U3.11@4468.58,2735.55 4468.58,2702.15 ccw(c4504.15,2702.15) 4471.17,2688.83 ccw(c4504.15,2702.15) 4479,2677 ccw(c4493.49,2691.49) 4493.49,2671 4528.89,2671 cw(c4528.89,2595.89) 4582,2649 cw(c4562.69,2629.69) 4590,2629.69 4590,2490.63 cw(c4535.37,2490.63) 4574,2452 4505.66,2383.66 ccw(c4519.31,2370) C12.2@4500,2370
pads on no net: D5.4 S1. S1.3 U3.4 U3.10 U3.38 U3.39 U3.40 U4.2 U4.3 U4.4 U4.5 U4.6 U4.7 U4.14 U4.15 U4.16 U4.17 U4.19 U4.21 U4.22 U5.3@4130,3320
copper on no net:
  other v3: 3238.54,3054.13 5024.37,3054.92

## Polygon pours and split planes (outlines as drawn)
no net on Top Layer "Top Layer-No Net 1" (solid, pour order 1006): 3915,2410
no net on Top Layer "Top Layer-No Net" (solid, pour order 1004): 4200,2400
GND on Top Layer "Mechanical 14-No Net" (solid, remove dead copper, pour order 1005): 1913,5138 1950,5101 6169,5101 6169,956 6157,944 6070,1031 2168,1031 2168,4870 1913,5125
RF_GND on Top Layer "Top Layer-No Net 2" (solid, remove dead copper, pour order 1007): 3771,3714.8 3780,3723 4634,3723 4631,3720.27 4631,3260 4611,3278.23 3792,3278.23 3789,3280.96 3767,3280.96 3767,3710.24 3781,3723
RF_GND on Bottom Layer "Top Layer-No Net 2" (solid, remove dead copper, pour order 1008): 3918,3773 3921,3770 4518,3770 4618,3770 4630,3758 4630,3278 4614,3262 3794,3262 3779,3277 3765,3291 3765,3775 3922,3775 3924,3773
GND on Bottom Layer "Mechanical 14-No Net" (solid, remove dead copper, pour order 1009): 1831,5064 1845,5050 6260,5050 6260,998 6164,902 6137,929 2112,929 1818,1223 1818,5078

## Keep-outs
Keep-Out Layer:
  lines w3.94: 2412.27,4478.63 cw(c1690.12,3173.43) 2538.8,4400.13 ; 2412.77,4478.61 cw(c2518.07,4669.09) 2708.93,4773.72 ccw(c4014.13,5495.87) 2787.43,4647.19 ; 2538.81,4400.12 cw(c1768.86,3173.43) 2753.36,4235.66 cw(c1847.6,3173.43) 2833.72,4161.51 2934.6,4057.73 cw(c2044.45,3212.8) 3047.6,3919.89 ; 2539.98,1709.32 cw(c1691.3,2936.02) 2413.45,1630.82 ccw(c2518.07,1439.96) 2708.56,1334.66 ; 2539.99,1709.33 ccw(c1770.04,2936.02) 2754.54,1873.78 ccw(c1848.78,2936.02) 2834.91,1947.93 2935.78,2051.72 ccw(c2045.63,2896.65) 3048.78,2189.56 ; 2708.54,1334.15 cw(c4013.74,612.01) 2787.04,1460.69 cw(c4013.74,690.75) 2951.5,1675.25 cw(c4013.74,769.49) 3025.65,1755.61 3129.43,1856.49 cw(c3974.37,966.34) 3267.28,1969.48 cw(c4132.24,771.06) 3583.4,2143.34 ; 2787.44,4647.17 ccw(c4014.13,5417.13) 2951.89,4432.62 ccw(c4014.13,5338.39) 3026.04,4352.26 3109.53,4274.03 ; 3047.95,3920.14 cw(c1849.17,3054.13) 3320.21,3206.03 ; 3048.56,2189.72 ccw(c1849.17,3054.13) 3319.64,2900.98 ; 3109.52,4274.04 ccw(c4131.69,5335.93) 3749.17,3912.51 ccw(c3797,4077.2) 3797.6,3905.71 ccw(c3783.78,4006.65) 3882.39,3981 ; 3234.36,2952.17 3267.73,2952.05 cw(c3266.22,2898.63) 3319.61,2900.98 ; 3234.36,2952.18 cw(c3238.54,3054.13) 3235.14,3156.12 3268.46,3156.1 ; 3268.46,3156.13 ccw(c3266.5,3209.65) 3320,3207.29 ; 3320.04,3206.02 3320.04,3207.68 ; 3586.18,2144.29 cw(c3656.01,1987.66) 3656.61,2159.15 cw(c3642.79,2058.21) 3744.68,2058.1 4515.48,2058.1 ; 3882.67,3980.87 cw(c3928.31,3960.04) 3895.18,3997.72 ; 3895.27,3997.58 cw(c3917.68,3960.04) 3918.86,4003.74 4131.85,4003.74 ; 4131.06,4003.74 4344.06,4003.74 cw(c4345.24,3960.04) 4367.65,3997.58 ; 4367.73,3997.72 cw(c4334.61,3960.04) 4380.24,3980.87 ; 4380.52,3981 ccw(c4479.13,4006.65) 4465.31,3905.71 ccw(c4465.91,4077.2) 4513.75,3912.51 ccw(c4132.24,5337.99) 4995.56,4141.24 ; 4515.48,2059.68 cw(c4617.36,2059.78) 4603.55,2160.73 ; 4604.34,2160.73 cw(c4604.93,1989.24) 4674.76,2145.87 ; 4675.52,2145.4 cw(c4132.24,771.06) 4996.42,1969.88 cw(c4289.33,966.73) 5134.26,1856.89 5238.05,1756 cw(c4249.96,769.88) 5312.2,1675.65 cw(c4249.96,691.14) 5476.65,1461.09 cw(c4249.96,612.4) 5555.16,1334.55 ccw(c5746.02,1439.17) 5851.32,1629.66 ; 4942.7,3206.82 cw(c6413.74,3054.92) 5214.97,3920.93 ; 4942.91,3208.07 ccw(c4996.42,3210.43) 4994.45,3156.91 5027.77,3156.89 cw(c5024.37,3054.92) 5028.56,2952.96 4995.18,2952.83 ccw(c4996.7,2899.41) 4943.31,2901.77 ; 4943.27,2901.77 ccw(c6413.74,3054.92) 5214.35,2190.51 ; 4995.63,4141.15 ccw(c4288.54,5144.29) 5133.47,4254.14 ; 5133.48,4254.14 5237.27,4355.02 ccw(c4249.17,5341.14) 5311.41,4435.38 ccw(c4249.17,5419.88) 5475.87,4649.93 ccw(c4249.17,5498.62) 5554.38,4776.48 ; 5208.1,3912.08 cw(c6229.95,3191.8) 5323.2,4052.49 ; 5216.5,2188.38 ccw(c6219.65,2895.47) 5329.49,2050.54 5430.37,1946.75 ccw(c6416.5,2934.84) 5510.73,1872.6 ccw(c6495.24,2934.84) 5725.28,1708.15 ccw(c6573.98,2934.84) 5851.83,1629.64 ; 5323.75,4052.99 5428.01,4162.7 cw(c6414.13,3174.61) 5508.37,4236.85 cw(c6492.87,3174.61) 5722.92,4401.3 ; 5554.36,4775.97 cw(c5744.84,4670.67) 5849.47,4479.81 ccw(c6571.61,3174.61) 5722.93,4401.31

## Other copper
Top Layer:
  rectangle net NetL1_2: 3908,2276 4058,2426
  rectangle net VBAT: 4193,2262 4293,2423
  rectangle net NRF_ANT: 3975.71,3655.75 3995.38,3989.34
  rectangle net NRF_ANT: 3986.69,3743.36 4267.4,3761.03
  rectangle net NRF_ANT: 3975.71,3971.67 4039.68,3989.34
  rectangle net NRF_ANT: 4022.11,3822.07 4039.68,3989.54
  rectangle net NRF_ANT: 4022.11,3822.07 4085.12,3839.8
  rectangle net NRF_ANT: 4067.39,3822.07 4085.11,3989.35
  rectangle net NRF_ANT: 4067.39,3971.62 4130.42,3989.35
  rectangle net NRF_ANT: 4112.69,3822.02 4130.42,3989.35
  rectangle net NRF_ANT: 4112.69,3822.02 4175.72,3839.75
  rectangle net NRF_ANT: 4157.94,3822.02 4175.72,3989.35
  rectangle net NRF_ANT: 4157.94,3971.62 4221.02,3989.45
  rectangle net NRF_ANT: 4203.29,3822.02 4221.02,3989.45
  rectangle net NRF_ANT: 4203.29,3822.02 4266.22,3839.75
  rectangle net NRF_ANT: 4248.49,3822.02 4266.22,3989.37
  rectangle net NRF_ANT: 4248.49,3971.67 4350.87,3989.37
  rectangle net GND: 4292,2812 4470,2971
  pour cut-out: 3924,3999 ccw(c3928.83,3994.17) 3922,3994.17 3918,3771 4157,3774 4397.39,3767.48 ccw(c4397.39,3774.31) 4402.22,3769.48 4400,3931.23 ccw(c4311.23,3931.23) 4374,3994 ccw(c4357.1,3977.1) 4357.1,4001 3920,4001
Bottom Layer:
  pour cut-out: 3921,4002 ccw(c3925.83,3997.17) 3919,3997.17 3915,3771 4190,3773 4395.39,3768.48 ccw(c4395.39,3775.31) 4400.22,3770.48 4397,3934.23 ccw(c4308.23,3934.23) 4371,3997 ccw(c4354.1,3980.1) 4354.1,4004 3917,4004

## Silkscreen, mask and mechanical layers (free items; w line width, h text height)
Top Overlay:
  lines w3.94: 3237,2275.87 3334.87,2275.87 3385,2326 3432,2326 3452,2346 3452,2578 ; 3727,2427 3761,2461 3870,2461 3900,2491
  lines w10: 2343,4700 cw(c2504.11,4700) 2592.05,4835 ; 2358,1509.05 ccw(c2493,1421.11) 2493,1260 2492.1,1260 2491,1260 ; 2480,1244 2496,1260 ; 2480,1275 2494,1261 2495,1261 ; 2490.33,1260 2492.55,1260 ; 2550.32,4835 2593.95,4835 2593.95,4858.05 ; 5677,1257.23 5677,1277 ; 5678,1279 5700.04,1279 ; 5679.95,1276 ccw(c5767.89,1411) 5929,1411 ; 5767,4859 5785,4877 ; 5768,4856 5768,4855 5792,4831 ; 5771,4856 cw(c5771,4694.89) 5906,4606.95
  text "M4" at 3126,4177 h150 r225
  text "M3" at 5291,4088 h150 r135
  text "Air_Fly" at 3268,3820 h120
  text "2018-7-30" at 4577,3794 h120
  text "CLK" at 3452,3125 h60
  text "DIO" at 3459,3059 h60
  text "V33" at 3238,2379 h60
  text "M1" at 2976,2012 h150 r315
  text "M2" at 5161,1922 h150 r45